# Altium PCB board_layout.pcbdoc (part 2 of 4)
Units mm, origin at the board's own origin, x right, y up, seen from the top; angles counter-clockwise.
Board outline 92.13 x 89.13 mm, 4 copper layers (Top Layer, Signal Layer 1, Signal Layer 2, Bottom Layer), stack 1.561 mm thick; 362 components, 209 nets, 1215 pads, 340 vias.
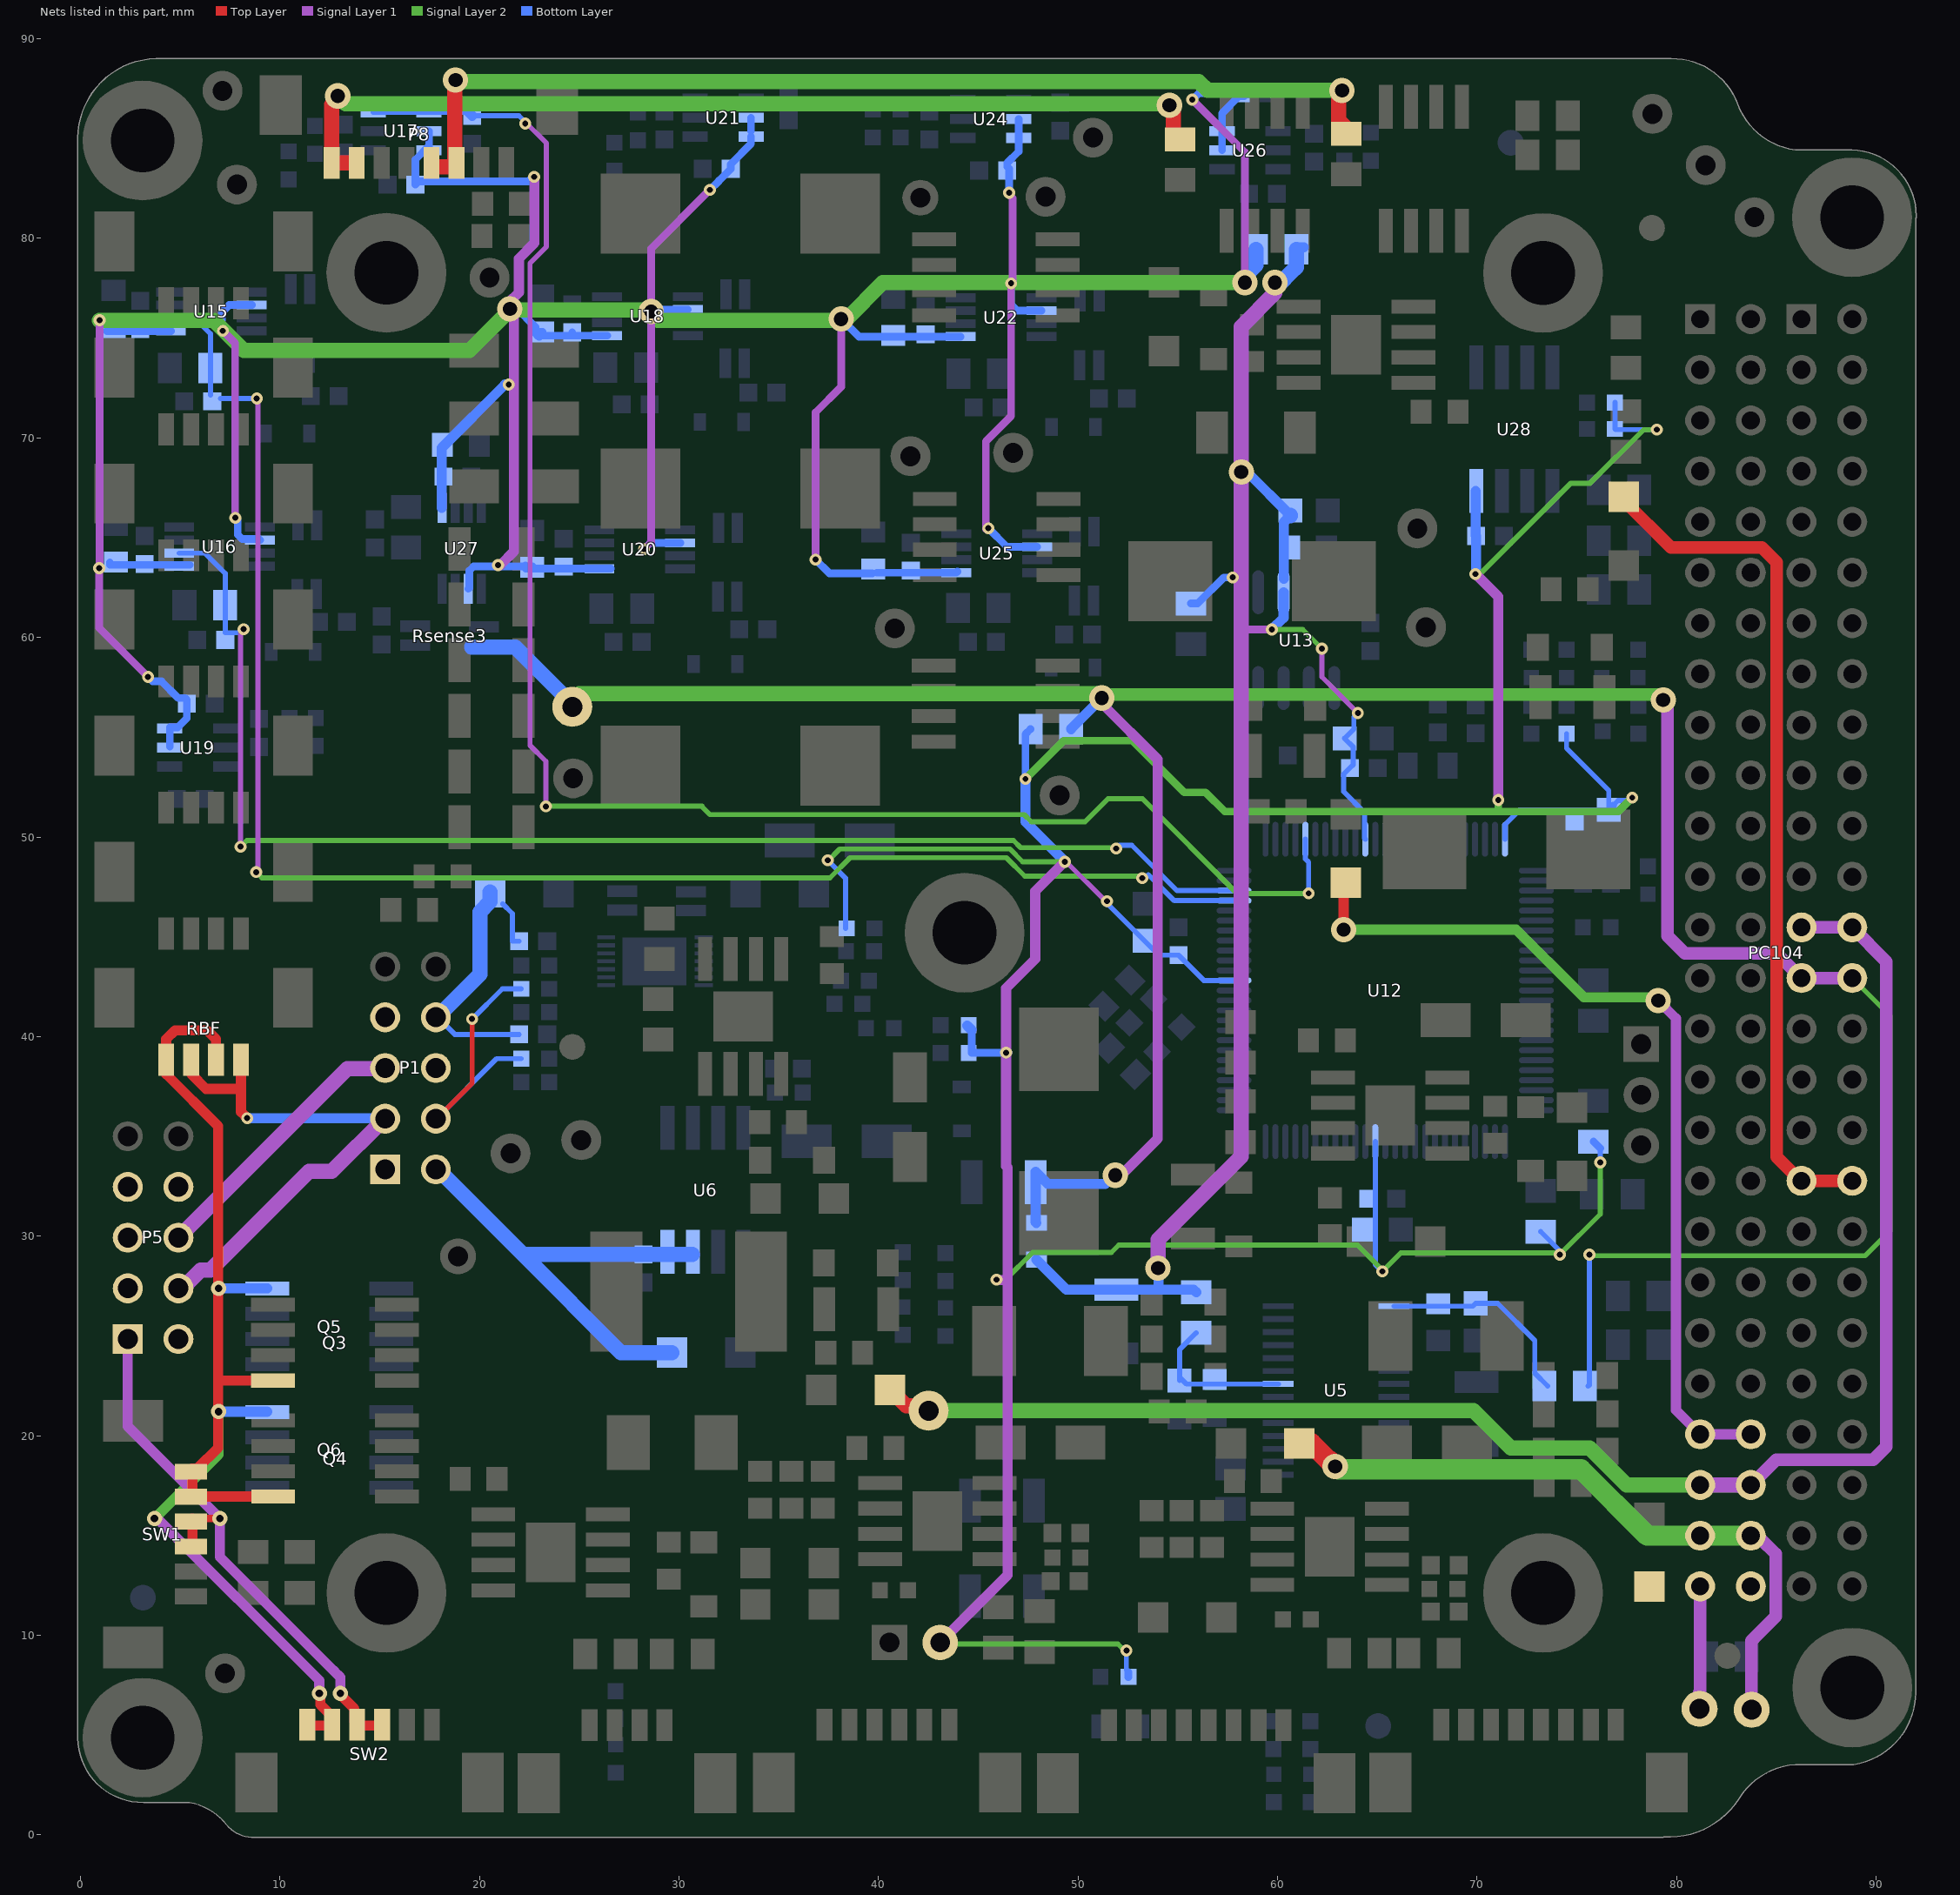
[diagram p4: the nets of this part, all layers, seen from the top]

## Part data (continued)
D1 D2: library part DIODE_SCHOTTKY_30V_5A_RB080L-30TE25, "DIODE SCHOTTKY 30V 5A DO-214AA", Average Rectified Current=5A, Manufacturer="ON Semiconductor / Fairchild", Max Forward Surge Current (Ifsm)=100A, Max Repetitive Reverse Voltage (Vrrm)=30V, Supplier Part Number 1=512-FSV530AF, ComponentLink1Description=https://www.fairchildsemi.com/datasheets/FS/FSV530AF.pdf?src-supplier=Digi-Key, ComponentLink1URL=https://www.fairchildsemi.com/datasheets/FS/FSV530AF.pdf?src-supplier=Digi-Key, ComponentLink2Description=http://www.farnell.com/datasheets/2552640.pdf?src-supplier=Farnell, ComponentLink2URL=http://www.farnell.com/datasheets/2552640.pdf?src-supplier=Farnell, ComponentLink3Description=http://www.farnell.com/datasheets/2552640.pdf?src-supplier=Element14, ComponentLink3URL=http://www.farnell.com/datasheets/2552640.pdf?src-supplier=Element14, Element Configuration=Single, Lead Free="Lead Free", Manufacturer Part Number=FSV530AF, Max Reverse Voltage (DC)=30V, Mount="Surface Mount", NCM=8541.10.29, Packaging="Cut Tape", Partnumber=FSV530AF, Pricing 1="1=0.47, 10=0.348, 100=0.202, 1000=0.137, 2500=0.121, 10000=0.117 (USD)", Pricing 2="1=0.47, 10=0.381, 25=0.3484, 100=0.2187, 250=0.21628, 500=0.2025, 1000=0.1377, 2500=0.13203, 5000=0.1215 (USD)", Reverse Recovery Time=15.72ns, Stock 1=19843, Stock 2=9965, Supplier 1=Mouser, Supplier 2=Digi-Key, Supplier Part Number 2=FSV530AFCT-ND, Weight=0.33g
D3: library part "DIODE_SCHOTTKY_30V_2A_  CMS06(TE12L,Q,M)", "DIODE SCHOTTKY 30V 2A   CMS06(TE12L,Q,M)", Average Rectified Current=2A, Forward Voltage=370mV, Manufacturer=Toshiba, Max Operating Temperature=125°C, Max Repetitive Reverse Voltage (Vrrm)=30V, Max Reverse Leakage Current=3mA, Max Surge Current=40A, Min Operating Temperature=-40°C, Package Quantity=1, Supplier Part Number 1=757-CMS06TE12L,Q,M, ComponentLink1Description=http://toshiba.semicon-storage.com/info/docget.jsp?did=3138&prodName=CMS06&src-supplier=Digi-Key, ComponentLink1URL=http://toshiba.semicon-storage.com/info/docget.jsp?did=3138&prodName=CMS06&src-supplier=Digi-Key, ComponentLink2Description=http://www.semicon.toshiba.com.tw/info/docget.jsp?pid=CMS06&lang=en&type=datasheet&src-supplier=Avnet, ComponentLink2URL=http://www.semicon.toshiba.com.tw/info/docget.jsp?pid=CMS06&lang=en&type=datasheet&src-supplier=Avnet, ComponentLink3Description=http://datasheet.iiic.cc/toshiba/CMS06_TE12L,Q,M_.pdf?src-supplier=IIIC, ComponentLink3URL=http://datasheet.iiic.cc/toshiba/CMS06_TE12L,Q,M_.pdf?src-supplier=IIIC, Contact Plating=Tin,Silver, Element Configuration=Single, Forward Current=2A, Manufacturer Part Number=CMS06(TE12L,Q,M), Max Reverse Voltage (DC)=30V, Mount="Surface Mount", NCM=8541.10.29, Number of Pins=2, Packaging="Tape and Reel", Partnumber=CMS06(TE12L,Q,M), Peak Non-Repetitive Surge Current=40A, Peak Reverse Current=3mA, Pricing 1="1=0.54, 10=0.464, 100=0.321, 500=0.25, 1000=0.203, 3000=0.186 (USD)", Pricing 2="1=0.53, 10=0.45, 25=0.42, 100=0.312, 250=0.2964, 500=0.2436, 1000=0.198 (USD)", Radiation Hardening=No, Stock 1=121, Stock 2=29658, Supplier 1=Mouser, Supplier 2=Digi-Key, Supplier Part Number 2=CMS06QMCT-ND
D4 D9 D11 D13 D15: library part DIODE_SCHOTTKY_40V_3A_B340LA-13-F, "DIODE SCHOTTKY 40V 3A B340LA-13-F", Average Rectified Current=3A, Capacitance=180pF, Case/Package=SMA, Forward Voltage=450mV, Manufacturer=Diodes, Max Forward Surge Current (Ifsm)=70A, Max Operating Temperature=125°C, Max Repetitive Reverse Voltage (Vrrm)=40V, Min Operating Temperature=-55°C, Package Quantity=5000, Peak Reverse Current=2mA, Supplier Part Number 1=621-B340LA-F, ComponentLink1Description=http://www.farnell.com/datasheets/2238478.pdf?src-supplier=Element14, ComponentLink1URL=http://www.farnell.com/datasheets/2238478.pdf?src-supplier=Element14, ComponentLink2Description=http://www.diodes.com/datasheets/ds30240.pdf?src-supplier=Future+Electronics, ComponentLink2URL=http://www.diodes.com/datasheets/ds30240.pdf?src-supplier=Future+Electronics, ComponentLink3Description=http://www.jameco.com/Jameco/Products/ProdDS/1538881.pdf?src-supplier=Jameco, ComponentLink3URL=http://www.jameco.com/Jameco/Products/ProdDS/1538881.pdf?src-supplier=Jameco, ComponentLink4Description=https://www.diodes.com/assets/Datasheets/ds30240.pdf?src-supplier=Digi-Key, ComponentLink4URL=https://www.diodes.com/assets/Datasheets/ds30240.pdf?src-supplier=Digi-Key, ComponentLink5Description=https://www.verical.com/server-webapp/html/getDatasheet?partID=256588&src-supplier=Verical, ComponentLink5URL=https://www.verical.com/server-webapp/html/getDatasheet?partID=256588&src-supplier=Verical, Current Rating=3A, Element Configuration=Single, Forward Current=3A, Height=2.1mm, Lead Free="Lead Free", Length=4.6mm, Manufacturer Part Number=B340LA-13-F, Max Reverse Voltage (DC)=40V, Mount="Surface Mount", NCM=8541.10.29, Number of Pins=2, Output Current=3A, Packaging="Tape and Reel", Partnumber=B340LA-13-F, Peak Non-Repetitive Surge Current=70A, Polarity=Standard, Pricing 1="1=0.51, 10=0.417, 100=0.255, 1000=0.197, 5000=0.168, 10000=0.168 (USD)", Pricing 2="1=0.4, 10=0.341, 25=0.318, 100=0.2363, 250=0.22452, 500=0.18452, 1000=0.14999, 2500=0.1409 (USD)", Radiation Hardening=No, REACH SVHC="No SVHC", Stock 1=21204, Stock 2=96615, Supplier 1=Mouser, Supplier 2=Digi-Key, Supplier Part Number 2=B340LA-FDICT-ND, Termination=SMD/SMT, Voltage Rating (DC)=40V, Weight=0.002258oz, Width=2.92mm
D5 D6: library part DIODE_ZENER_5.6V_3SMAJ5919B, "DIODE ZENER 5.6V 3W DO214AC", Case/Package=SMA, Manufacturer=MCC, Max Operating Temperature=150°C, Max Power Dissipation=3W, Max Reverse Leakage Current=5uA, Min Operating Temperature=-55°C, Package Quantity=7500, Supplier Part Number 1=833-3SMAJ5919B-TP, Tolerance=5%, Zener Current=534mA, Zener Voltage=5.6V, ComponentLink1Description=http://www.mccsemi.com/up_pdf/3SMAJ5913B~3SMAJ5943B(DO-214AC).pdf?src-supplier=Digi-Key, ComponentLink1URL=http://www.mccsemi.com/up_pdf/3SMAJ5913B~3SMAJ5943B(DO-214AC).pdf?src-supplier=Digi-Key, Element Configuration=Single, Impedance=2R, Manufacturer Part Number=3SMAJ5919B-TP, Mount="Surface Mount", NCM=8541.10.29, Number of Pins=2, Packaging="Tape and Reel", Partnumber=3SMAJ5919B-TP, Power Dissipation=3W, Pricing 1="1=0.48, 10=0.354, 100=0.225, 500=0.199, 1000=0.143, 2500=0.134 (USD)", Pricing 2="1=0.46, 10=0.376, 25=0.344, 100=0.216, 250=0.2136, 500=0.2, 1000=0.136, 2500=0.1304 (USD)", Stock 1=26433, Stock 2=61482, Supplier 1=Mouser, Supplier 2=Digi-Key, Supplier Part Number 2=3SMAJ5919B-TPMSCT-ND, Voltage Tolerance=5%
D7 D12 D14 D16 D17 D18: library part DIODE_SCHOTTKY_20V_2A_SMD22WS-TP, "Diode Schottky 20 V 2A Surface Mount SOD-323", Partnumber=SMD22WS-TP
D8: library part DIODE_SCHOTTKY_23V_1A_NSVR0320MW2T1G, "DIODE SCHOTTKY 23V 1A SOD323F", Average Rectified Current=1A, Case/Package=SOD-323-2, Forward Voltage=500mV, Manufacturer="ON Semiconductor", Manufacturer Part Number=NSVR0320MW2T1G, Max Forward Surge Current (Ifsm)=5A, Max Operating Temperature=125°C, Max Repetitive Reverse Voltage (Vrrm)=20V, Max Reverse Leakage Current=1mA, Min Operating Temperature=-55°C, Package Quantity=3000, Peak Reverse Current=50uA, Supplier Part Number 1=863-NSVR0320MW2T1G, ComponentLink1Description=http://www.onsemi.com/pub/Collateral/NSR0320MW2T1-D.PDF?src-supplier=Avnet, ComponentLink1URL=http://www.onsemi.com/pub/Collateral/NSR0320MW2T1-D.PDF?src-supplier=Avnet, ComponentLink2Description=http://www.onsemi.com/pub/Collateral/NSR0320MW2T1-D.PDF?src-supplier=Digi-Key, ComponentLink2URL=http://www.onsemi.com/pub/Collateral/NSR0320MW2T1-D.PDF?src-supplier=Digi-Key, Element Configuration=Single, Forward Current=1A, Height=0.9mm, Lead Free="Lead Free", Length=1.8mm, Max Reverse Voltage (DC)=20V, Max Surge Current=5A, NCM=8541.10.29, Number of Pins=2, Packaging="Tape and Reel", Partnumber=NSVR0320MW2T1G, Pricing 1="1=0.38, 10=0.254, 100=0.118, 1000=0.092, 3000=0.081, 9000=0.071 (USD)", Pricing 2="1=0.38, 10=0.282, 25=0.2548, 100=0.1343, 250=0.13288, 500=0.119, 1000=0.0926 (USD)", Radiation Hardening=No, REACH SVHC="No SVHC", Stock 1=10408, Stock 2=4746, Supplier 1=Mouser, Supplier 2=Digi-Key, Supplier Part Number 2=NSVR0320MW2T1GOSCT-ND, Width=1.35mm
D10: library part DIODE_SCHOTTKY_20V_2A_MB220-13-F, "DIODE SCHOTTKY 20V 2A B220-13-F", Average Rectified Current=2A, Capacitance=200pF, Case/Package=SMB, Forward Voltage=500mV, Manufacturer=Diodes, Max Forward Surge Current (Ifsm)=50A, Max Operating Temperature=150°C, Max Repetitive Reverse Voltage (Vrrm)=20V, Min Operating Temperature=-65°C, Package Quantity=3000, Peak Reverse Current=500uA, Supplier Part Number 1=621-B220-F, ComponentLink1Description=http://www.diodes.com/datasheets/ds13004.pdf?src-supplier=Future+Electronics, ComponentLink1URL=http://www.diodes.com/datasheets/ds13004.pdf?src-supplier=Future+Electronics, ComponentLink2Description=http://www.diodes.com/datasheets/ds13004.pdf?src-supplier=Avnet, ComponentLink2URL=http://www.diodes.com/datasheets/ds13004.pdf?src-supplier=Avnet, Contact Plating=Tin,Matte, Current Rating=2A, Element Configuration=Single, Forward Current=2A, Height=2.62mm, Lead Free="Lead Free", Length=4.57mm, Manufacturer Part Number=B220-13-F, Max Reverse Voltage (DC)=20V, Mount="Surface Mount", NCM=8541.10.29, Number of Pins=2, Output Current=2A, Packaging="Tape and Reel", Partnumber=B220-13-F, Peak Non-Repetitive Surge Current=50A, Polarity=Standard, Pricing 1="1=0.45, 10=0.289, 100=0.124, 1000=0.095, 3000=0.072, 9000=0.064 (USD)", Pricing 2="1=0.46, 10=0.339, 25=0.2968, 100=0.1612, 250=0.16036, 500=0.1315, 1000=0.09757 (USD)", Radiation Hardening=No, REACH SVHC="No SVHC", Stock 1=3454, Stock 2=5768, Supplier 1=Mouser, Supplier 2=Digi-Key, Supplier Part Number 2=B220-FDICT-ND, Termination=SMD/SMT, Voltage Rating (DC)=20V, Weight=0.00328oz, Width=3.94mm
FB1: library part FB_30R_3A_100MHz_0805, "Ferrite Bead 30 OHM 3A 100MHz", Case Code (Imperial)=0805, Case Code (Metric)=2012, Current Rating=4A, DC Current=3A, DC Resistance (DCR)=14mR, Frequency=100MHz, Manufacturer=Murata, Manufacturer Part Number=BLM21PG300SN1D, Max Operating Temperature=125°C, Min Operating Temperature=-55°C, Package Quantity=1, Resistance=15mR, Supplier Part Number 1=81-BLM21P300S, Tolerance=25%, Case/Package=0805, ComponentLink1Description=http://uk.rs-online.com/webdocs/002e/0900766b8002e1f1.pdf?src-supplier=RSComponents, ComponentLink1URL=http://uk.rs-online.com/webdocs/002e/0900766b8002e1f1.pdf?src-supplier=RSComponents, ComponentLink2Description=https://www.murata.com/en-us/products/productdata/8796738977822/ENFA0005.pdf?src-supplier=Digi-Key, ComponentLink2URL=https://www.murata.com/en-us/products/productdata/8796738977822/ENFA0005.pdf?src-supplier=Digi-Key, ComponentLink3Description=http://search.murata.co.jp/Ceramy/image/img/PDF/ENG/L0110S0100BLM21P.pdf?src-supplier=Avnet+Europe, ComponentLink3URL=http://search.murata.co.jp/Ceramy/image/img/PDF/ENG/L0110S0100BLM21P.pdf?src-supplier=Avnet+Europe, ComponentLink4Description=http://search.murata.co.jp/Ceramy/image/img/PDF/ENG/L0110S0100BLM21P.pdf?src-supplier=Avnet, ComponentLink4URL=http://search.murata.co.jp/Ceramy/image/img/PDF/ENG/L0110S0100BLM21P.pdf?src-supplier=Avnet, ComponentLink5Description=http://www.murata.com/en-global/api/pdfdownloadapi?cate=luNoiseSupprFilteChipFerriBead&partno=BLM21PG300SN1%23&src-supplier=Future+Electronics, ComponentLink5URL=http://www.murata.com/en-global/api/pdfdownloadapi?cate=luNoiseSupprFilteChipFerriBead&partno=BLM21PG300SN1%23&src-supplier=Future+Electronics, ComponentLink6Description=http://www.jameco.com/Jameco/Products/ProdDS/1845339.pdf?src-supplier=Jameco, ComponentLink6URL=http://www.jameco.com/Jameco/Products/ProdDS/1845339.pdf?src-supplier=Jameco, ComponentLink7Description=http://www.farnell.com/datasheets/1756152.pdf?src-supplier=Element14, ComponentLink7URL=http://www.farnell.com/datasheets/1756152.pdf?src-supplier=Element14, ComponentLink8Description=http://www.produktinfo.conrad.com/datenblaetter/1100000-1199999/001172365-da-01-en-DROSSEL_0805_30R0_2_0X1_25MM_4000ST.pdf?src-supplier=Conrad, ComponentLink8URL=http://www.produktinfo.conrad.com/datenblaetter/1100000-1199999/001172365-da-01-en-DROSSEL_0805_30R0_2_0X1_25MM_4000ST.pdf?src-supplier=Conrad, Core Material=Ferrite, Depth=1.25mm, Height=0.85mm, Impedance=30R, Lead Free="Lead Free", Length=2mm, Material=Steel,Ferrite, Max Current Rating=4A, Max DC Current=3A, Military Standard=Not, NCM=8504.50.00, Number of Circuits=1, Number of Lines=1, Number of Pins=2, Packaging="Tape and Reel", Partnumber=BLM21PG300SN1D, Pricing 1="1=0.11, 10=0.06, 100=0.041, 500=0.037, 1000=0.03, 4000=0.028 (USD)", Pricing 2="1=0.11, 10=0.093, 25=0.0724, 50=0.06, 100=0.0517, 250=0.04136, 500=0.03722, 1000=0.03102 (USD)", Radiation Hardening=No, REACH SVHC="No SVHC", Shielding=Unshielded, Stock 1=86637, Stock 2=46682, Supplier 1=Mouser, Supplier 2=Digi-Key, Supplier Part Number 2=490-1052-1-ND, Termination=SMD/SMT, Test Frequency=100MHz, Width=1.25mm
FB3 FB4: library part FB_30R_10A_100MHz_1210, "Ferrite Bead 30 OHM 10A 100MHz", Case Code (Imperial)=1210, Case Code (Metric)=3225, DC Resistance (DCR)=1.6mR, Manufacturer=Murata, Manufacturer Part Number=BLE32PN300SN1L, Max Current Rating=10A, Max Operating Temperature=125°C, Min Operating Temperature=-55°C, Package Quantity=1500, Resistance=10R, Supplier Part Number 1=81-BLE32PN300SN1L, Case/Package=1210, ComponentLink1Description=http://search.murata.co.jp/Ceramy/image/img/PDF/ENG/L0110S0100BLE32P.pdf?src-supplier=Avnet, ComponentLink1URL=http://search.murata.co.jp/Ceramy/image/img/PDF/ENG/L0110S0100BLE32P.pdf?src-supplier=Avnet, Core Material=Ferrite, Depth=2.5mm, Height=0.087inch, Impedance=30R, Length=0.126inch, Max DC Current=10A, Mount="Surface Mount", NCM=8504.50.00, Number of Lines=1, Packaging="Tape and Reel", Partnumber=BLE32PN300SN1L, Pricing 1="1=0.8, 10=0.663, 25=0.532, 50=0.504, 100=0.448, 250=0.42 (USD)", Pricing 2="1=0.84, 10=0.756, 25=0.5604, 50=0.5324, 100=0.4763, 250=0.44828, 500=0.42026 (USD)", Radiation Hardening=No, Stock 1=0, Stock 2=11710, Supplier 1=Mouser, Supplier 2=Digi-Key, Supplier Part Number 2=490-9566-1-ND, Termination=SMD/SMT, Weight=0.000564oz, Width=0.098inch
FD1 FD2 FD3 FD4 FD5 FD6: "Fiducial 1.3mm"
J_V1 J_V3 J_V4 J_V5 J_V6 R28 R32 R87 R88 R89 R90 R91: library part R0R_JUMPER_1/8W_0805, "RES 0R OHM 1/8W JUMPER 0805", Case Code (Imperial)=0805, Case Code (Metric)=2012, Manufacturer=Vishay, Manufacturer Part Number=CRCW08050000Z0EA, Max Operating Temperature=155°C, Max Power Dissipation=125mW, Min Operating Temperature=-55°C, Package Quantity=1, Resistance=0mR, Supplier Part Number 1=71-CRCW0805-0-E3, Temperature Coefficient=100ppm/°C, Tolerance=1%, Voltage Rating=150V, Case/Package=0805, ComponentLink1Description=http://www.vishay.com/docs/20035/dcrcwe3.pdf?src-supplier=Avnet+Europe, ComponentLink1URL=http://www.vishay.com/docs/20035/dcrcwe3.pdf?src-supplier=Avnet+Europe, ComponentLink2Description=http://www.vishay.com/docs/20035/dcrcwe3.pdf?src-supplier=Distrelec, ComponentLink2URL=http://www.vishay.com/docs/20035/dcrcwe3.pdf?src-supplier=Distrelec, ComponentLink3Description=http://www.vishay.com/docs/20035/dcrcwe3.pdf?src-supplier=Mouser, ComponentLink3URL=http://www.vishay.com/docs/20035/dcrcwe3.pdf?src-supplier=Mouser, ComponentLink4Description=http://uk.rs-online.com/webdocs/0d98/0900766b80d98b26.pdf?src-supplier=RSComponents, ComponentLink4URL=http://uk.rs-online.com/webdocs/0d98/0900766b80d98b26.pdf?src-supplier=RSComponents, ComponentLink5Description=http://www.vishay.com/docs/20035/dcrcwe3.pdf?src-supplier=Future+Electronics, ComponentLink5URL=http://www.vishay.com/docs/20035/dcrcwe3.pdf?src-supplier=Future+Electronics, ComponentLink6Description=http://www.vishay.com/docs/20035/dcrcwe3.pdf?src-supplier=Allied+Electronics, ComponentLink6URL=http://www.vishay.com/docs/20035/dcrcwe3.pdf?src-supplier=Allied+Electronics, ComponentLink7Description=http://www.vishay.com/docs/20035/dcrcwe3.pdf?src-supplier=Digi-Key, ComponentLink7URL=http://www.vishay.com/docs/20035/dcrcwe3.pdf?src-supplier=Digi-Key, ComponentLink8Description=http://www.farnell.com/datasheets/2310790.pdf?src-supplier=Element14, ComponentLink8URL=http://www.farnell.com/datasheets/2310790.pdf?src-supplier=Element14, Composition="Thick Film", Contact Plating=Tin,Lead, Depth=1.25mm, Features="Automotive AEC-Q200", Fitted="No (jumper resistor)", Height=0.45mm, Lead Free="Lead Free", Length=2mm, Military Standard=Not, Number of Terminations=2, Packaging="Tape and Reel", Partnumber=CRCW08050000Z0EA, Power Rating=125mW, Pricing 1="1=0.1, 10=0.024, 100=0.01, 1000=0.007, 5000=0.004, 10000=0.004 (USD)", Pricing 2="1=0.1, 10=0.04, 25=0.0288, 50=0.022, 100=0.0162, 250=0.01236, 500=0.0099, 1000=0.00729 (USD)", Radiation Hardening=No, REACH SVHC=Unknown, Stock 1=903478, Stock 2=399530, Supplier 1=Mouser, Supplier 2=Digi-Key, Supplier Part Number 2=541-0.0ADKR-ND, Termination=SMD/SMT, Voltage Rating (DC)=150V, Weight=0.000194oz, Width=1.25mm
L1 L2: library part IND_POWER_2.2uH_9A_15mR, "INDUCTOR 2.2UH 9A SMD", Case/Package=2826, Current Rating=9A, DC Resistance (DCR)=15.5mR, Inductance=2.2uH, Inductance Tolerance=20%, Manufacturer=Bourns, Manufacturer Part Number=SRP6540-2R2M, Max Operating Temperature=125°C, Min Operating Temperature=-55°C, Package Quantity=1200, Self Resonant Frequency=100kHz, Supplier Part Number 1=652-SRP6540-2R2M, ComponentLink1Description=http://www.bourns.com/docs/Product-Datasheets/SRP6540.pdf?src-supplier=Digi-Key, ComponentLink1URL=http://www.bourns.com/docs/Product-Datasheets/SRP6540.pdf?src-supplier=Digi-Key, ComponentLink2Description=https://www.bourns.com/docs/Product-Datasheets/SRP6540.pdf?src-supplier=Digi-Key, ComponentLink2URL=https://www.bourns.com/docs/Product-Datasheets/SRP6540.pdf?src-supplier=Digi-Key, ComponentLink3Description=http://www.farnell.com/datasheets/1698468.pdf?src-supplier=Element14, ComponentLink3URL=http://www.farnell.com/datasheets/1698468.pdf?src-supplier=Element14, Composition=Wirewound, Core Material=Ferrite, Depth=6.7mm, Height=4mm, Height - Seated (Max)=0.157inch, Length=7.2mm, Material=Ferrite, Max DC Current=9A, Military Standard=Not, Mount="Surface Mount", NCM=8504.50.00, Packaging="Tape and Reel", Partnumber=SRP6540-2R2M, Pricing 1="1=1.2, 10=1.14, 50=0.953, 100=0.878, 250=0.801, 500=0.672 (USD)", Pricing 2="1=1.42, 10=1.323, 25=1.2212, 50=1.0176, 100=0.9565, 250=0.85472, 500=0.7326 (USD)", REACH SVHC="No SVHC", RMS Current (Irms)=9A, Saturation Current=9A, Shielding=Shielded, Stock 1=1265, Stock 2=3610, Supplier 1=Mouser, Supplier 2=Digi-Key, Supplier Part Number 2=SRP6540-2R2MCT-ND, Termination=SMD/SMT, Test Frequency=100kHz, Tolerance=20%, Width=6.5mm
L3: library part IND_POWER_27uH_4.3A_42.5mR, "INDUCTOR 27UH 4.3A SMD", Case/Package=Nonstandard, Current Rating=4.3A, DC Resistance (DCR)=42.5mR, Inductance=27uH, Inductance Tolerance=20%, Manufacturer="Wurth Electronics", Manufacturer Part Number=7447798271, Max DC Current=3.9A, Max Operating Temperature=150°C, Min Operating Temperature=-40°C, Package Quantity=500, Saturation Current=3.1A, Self Resonant Frequency=15MHz, Supplier Part Number 1=710-7447798271, Test Frequency=100kHz, ComponentLink1Description=http://documents.rs-components.com/techlib://itc_doclist_GB.htm?stockno=7444974&src-supplier=RSComponents, ComponentLink1URL=http://documents.rs-components.com/techlib://itc_doclist_GB.htm?stockno=7444974&src-supplier=RSComponents, ComponentLink2Description=http://katalog.we-online.de/pbs/datasheet/7447798271.pdf?src-supplier=Digi-Key, ComponentLink2URL=http://katalog.we-online.de/pbs/datasheet/7447798271.pdf?src-supplier=Digi-Key, ComponentLink3Description=https://katalog.we-online.de/pbs/datasheet/7447798271.pdf?src-supplier=Digi-Key, ComponentLink3URL=https://katalog.we-online.de/pbs/datasheet/7447798271.pdf?src-supplier=Digi-Key, ComponentLink4Description=http://katalog.we-online.de/pbs/datasheet/7447798271.pdf?src-supplier=Farnell, ComponentLink4URL=http://katalog.we-online.de/pbs/datasheet/7447798271.pdf?src-supplier=Farnell, ComponentLink5Description=http://www.mouser.com/ds/2/445/7447798271-539302.pdf?src-supplier=Mouser, ComponentLink5URL=http://www.mouser.com/ds/2/445/7447798271-539302.pdf?src-supplier=Mouser, Composition=Wirewound, Core Material=Metal,Composite,Ferrite, Depth=10.2mm, Height=6.4mm, Height - Seated (Max)=0.252inch, Length=10.2mm, Mount="Surface Mount", NCM=8504.50.00, Packaging="Tape and Reel", Partnumber=7447798271, Pricing 1="1=3.34, 10=3.08, 25=3.08, 50=2.97, 100=2.87, 250=2.55 (USD)", Pricing 2="1=3.34, 10=3.086, 50=2.979, 100=2.873, 250=2.554 (USD)", REACH SVHC=Unknown, RMS Current (Irms)=4.3A, Shielding=Shielded, Stock 1=889, Stock 2=1101, Supplier 1=Mouser, Supplier 2=Digi-Key, Supplier Part Number 2=732-2421-1-ND, Termination=SMD/SMT, Tolerance=20%, Width=0.402inch
L4 L5: library part IND_POWER_16uH_5A_35.5mR, "INDUCTOR 16UH 5A SMD", Case/Package=Nonstandard, Current Rating=5A, DC Resistance (DCR)=34.5mR, Inductance=16uH, Inductance Tolerance=20%, Manufacturer="Wurth Electronics", Manufacturer Part Number=7443251600, Max Operating Temperature=150°C, Min Operating Temperature=-40°C, Package Quantity=700, Saturation Current=6.5A, Self Resonant Frequency=18MHz, Series Resistance=34.5R, Supplier Part Number 1=710-7443251600, Test Frequency=100kHz, ComponentLink1Description=http://www.mouser.com/ds/2/445/7443251600-73993.pdf?src-supplier=Mouser, ComponentLink1URL=http://www.mouser.com/ds/2/445/7443251600-73993.pdf?src-supplier=Mouser, ComponentLink2Description=http://www.farnell.com/datasheets/1735799.pdf?src-supplier=Element14, ComponentLink2URL=http://www.farnell.com/datasheets/1735799.pdf?src-supplier=Element14, ComponentLink3Description=https://www.distrelec.biz/Web/Downloads/_t/ds/7443251600_eng_tds.pdf?mime=application%2Fpdf&src-supplier=Distrelec, ComponentLink3URL=https://www.distrelec.biz/Web/Downloads/_t/ds/7443251600_eng_tds.pdf?mime=application%2Fpdf&src-supplier=Distrelec, ComponentLink4Description=http://katalog.we-online.de/pbs/datasheet/7443251600.pdf?src-supplier=Digi-Key, ComponentLink4URL=http://katalog.we-online.de/pbs/datasheet/7443251600.pdf?src-supplier=Digi-Key, ComponentLink5Description=http://www.produktinfo.conrad.com/datenblaetter/1000000-1099999/001087469-da-01-ml-WE_HCI_SMD_HOCHSTROMIND_7443251600_de_en.pdf?src-supplier=Conrad, ComponentLink5URL=http://www.produktinfo.conrad.com/datenblaetter/1000000-1099999/001087469-da-01-ml-WE_HCI_SMD_HOCHSTROMIND_7443251600_de_en.pdf?src-supplier=Conrad, Composition=Wirewound, Height=4.7mm, Height - Seated (Max)=0.197inch, Length=0.413inch, Max DC Current=5A, Mount="Surface Mount", NCM=8504.50.00, Packaging="Tape and Reel", Partnumber=7443251600, Pricing 1="1=4.01, 10=3.94, 25=3.94, 50=3.63, 100=3.48, 250=3.26 (USD)", Pricing 2="1=4.01, 10=3.931, 50=3.629, 100=3.478, 250=3.251 (USD)", REACH SVHC=Unknown, RMS Current (Irms)=5A, Shielding=Shielded, Stock 1=2659, Stock 2=2913, Supplier 1=Mouser, Supplier 2=Digi-Key, Supplier Part Number 2=732-4180-1-ND, Termination=SMD/SMT, Tolerance=20%, Width=10.2mm
L6: library part IND_POWER_10uH_6.4A_51.8mR, "INDUCTOR 2.2UH 6.4A SMD", Case/Package=3232, Current Rating=5.4A, DC Resistance (DCR)=51.8mR, Inductance=10uH, Inductance Tolerance=20%, Manufacturer="Vishay Dale", Manufacturer Part Number=IHLP3232DZER100M11, Max Operating Temperature=125°C, Min Operating Temperature=-55°C, Package Quantity=500, Saturation Current=6.4A, Self Resonant Frequency=12MHz, Supplier Part Number 1=70-IHLP3232DZER100M1, Test Frequency=100kHz, ComponentLink1Description=http://www.vishay.com/docs/34313/ihlp3232dz11.pdf?src-supplier=Avnet, ComponentLink1URL=http://www.vishay.com/docs/34313/ihlp3232dz11.pdf?src-supplier=Avnet, ComponentLink2Description=http://www.vishay.com/docs/34313/ihlp3232dz11.pdf?src-supplier=Digi-Key, ComponentLink2URL=http://www.vishay.com/docs/34313/ihlp3232dz11.pdf?src-supplier=Digi-Key, ComponentLink3Description=https://www.alliedelec.com/m/d/5924ead94cc8907f6647c63e8202e128.pdf?src-supplier=Allied+Electronics, ComponentLink3URL=https://www.alliedelec.com/m/d/5924ead94cc8907f6647c63e8202e128.pdf?src-supplier=Allied+Electronics, ComponentLink4Description=http://www.farnell.com/datasheets/2045896.pdf?src-supplier=Element14, ComponentLink4URL=http://www.farnell.com/datasheets/2045896.pdf?src-supplier=Element14, ComponentLink5Description=http://www.vishay.com/docs/34313/ihlp3232dz11.pdf?src-supplier=Element14, ComponentLink5URL=http://www.vishay.com/docs/34313/ihlp3232dz11.pdf?src-supplier=Element14, Contact Plating=Tin, Core Material=Ferrite, Depth=8.26mm, Height=4mm, Height - Seated (Max)=0.157inch, Lead Free="Lead Free", Length=8.89mm, Max DC Current=5.4A, Military Standard=Not, Mount="Surface Mount", NCM=8504.50.00, Number of Pins=2, Packaging="Tape and Reel", Partnumber=IHLP3232DZER100M11, Pricing 1="1=1.65, 10=1.53, 100=0.738, 1000=0.738, 2500=0.738, 10000=0.738 (USD)", Pricing 2="1=1.58, 10=1.466, 25=1.3532, 50=1.1276, 100=1.0599, 250=0.94712 (USD)", Radiation Hardening=No, REACH SVHC=Unknown, RMS Current (Irms)=5.4A, Shielding=Shielded, Stock 1=376, Stock 2=12872, Supplier 1=Mouser, Supplier 2=Digi-Key, Supplier Part Number 2=541-1346-1-ND, Termination=SMD/SMT, Tolerance=20%, Width=8.18mm
L7 L8 L9: library part IND_POWER_22uH_6.3A_25.7mR, "HC9 Series - 22uH / 6.3A / 25.7mOHM", Case/Package=SMD/SMT, Current Rating=6.3A, DC Resistance (DCR)=25.7mR, Inductance=22uH, Inductance Tolerance=15%, Manufacturer="Eaton Cooper", Manufacturer Part Number=HC9-220-R, Max Operating Temperature=155°C, Min Operating Temperature=-40°C, Package Quantity=450, Saturation Current=8.7A, Supplier Part Number 1=704-HC9-220-R, Test Frequency=100kHz, ComponentLink1Description=http://www.mouser.com/ds/2/87/Bus_Elx_DS_4312_HC9_Series-475744.pdf?src-supplier=Mouser, ComponentLink1URL=http://www.mouser.com/ds/2/87/Bus_Elx_DS_4312_HC9_Series-475744.pdf?src-supplier=Mouser, ComponentLink2Description=http://www.farnell.com/datasheets/175565.pdf?src-supplier=Element14, ComponentLink2URL=http://www.farnell.com/datasheets/175565.pdf?src-supplier=Element14, ComponentLink3Description=http://www.cooperindustries.com/content/dam/public/bussmann/Electronics/Resources/product-datasheets/Bus_Elx_DS_4312_HC9_Series.pdf?src-supplier=Future+Electronics, ComponentLink3URL=http://www.cooperindustries.com/content/dam/public/bussmann/Electronics/Resources/product-datasheets/Bus_Elx_DS_4312_HC9_Series.pdf?src-supplier=Future+Electronics, ComponentLink4Description=http://www.cooperindustries.com/content/dam/public/bussmann/Electronics/Resources/product-datasheets/Bus_Elx_DS_4312_HC9_Series.pdf?src-supplier=Onlinecomponents.com, ComponentLink4URL=http://www.cooperindustries.com/content/dam/public/bussmann/Electronics/Resources/product-datasheets/Bus_Elx_DS_4312_HC9_Series.pdf?src-supplier=Onlinecomponents.com, Core Material=Ferrite, Depth=13.1mm, Height=7.5mm, Lead Free="Lead Free", Length=13.8mm, Max DC Current=6.3A, Military Standard=Not, Mount="Surface Mount", NCM=8504.50.00, Number of Pins=2, Packaging="Tape and Reel", Partnumber=HC9-220-R, Pricing 1="1=3.48, 10=3, 100=2.41, 450=1.71, 900=1.47, 2250=1.43 (USD)", Pricing 2="1=2.74, 10=2.529, 25=2.3184, 50=1.9812, 100=1.7704 (USD)", Radiation Hardening=No, REACH SVHC="No SVHC", RMS Current (Irms)=6.3A, Shielding=Unshielded, Stock 1=1694, Stock 2=9707, Supplier 1=Mouser, Supplier 2=Digi-Key, Supplier Part Number 2=513-1349-1-ND, Termination=SMD/SMT, Tolerance=15%, Weight=0.256oz, Width=13.1mm
MEC1 MEC2 MEC3 MEC4 MEC5 MEC6 MEC7 MEC8 MEC9: library part "M3 hole", "M3 hole"
P1 P5: library part "Header 5X2H_IPS1-105-01-S-D-VS", "10 Position Receptacle Connector 0.100\" (2.54mm)", Color=Black, Manufacturer=Samtec, Manufacturer Part Number=IPS1-105-01-S-D, Max Operating Temperature=125°C, Max Voltage Rating (AC)=550V, Max Voltage Rating (DC)=777V, Min Operating Temperature=-55°C, Supplier Part Number 1=200-IPS110501SD, ComponentLink1Description=http://www.samtec.com/documents/webfiles/pdf/ipt1.pdf?src-supplier=Avnet+Europe, ComponentLink1URL=http://www.samtec.com/documents/webfiles/pdf/ipt1.pdf?src-supplier=Avnet+Europe, ComponentLink2Description=http://suddendocs.samtec.com/prints/ips1-1xx-xx-xx-d-xx-mkt.pdf?src-supplier=Digi-Key, ComponentLink2URL=http://suddendocs.samtec.com/prints/ips1-1xx-xx-xx-d-xx-mkt.pdf?src-supplier=Digi-Key, ComponentLink3Description=http://www.samtec.com/documents/webfiles/pdf/ipt1.pdf?src-supplier=Avnet, ComponentLink3URL=http://www.samtec.com/documents/webfiles/pdf/ipt1.pdf?src-supplier=Avnet, Connector Type=Receptacle,Socket, Contact Material=Bronze, Contact Plating=Gold, Depth=4.95mm, Gender=Receptacle, Housing Color=Black, Housing Material=Polymer, LatestRevisionDate=17-Jul-2002, LatestRevisionNote="Re-released for DXP Platform.", Lead Free="Lead Free", Length=13.08mm, Mount="Through Hole", Number of Contacts=10, Number of Ports=1, Number of Positions=10, Number of Rows=2, Number of Terminals=10, Orientation=Straight, Packaging=Rail/Tube, Partnumber=IPS1-105-01-S-D, Pitch=2.54mm, Pricing 1="1=3.15, 10=2.64, 100=2.3, 250=1.98, 500=1.83, 1000=1.68 (USD)", Pricing 2="1=3.15, 10=3.024, 100=2.52, 500=2.142, 1000=1.827, 5000=1.638 (USD)", Publisher="Altium Limited", Radiation Hardening=No, REACH SVHC="No SVHC", Row Spacing=0.1inch, Stock 1=1713, Stock 2=1507, Supplier 1=Mouser, Supplier 2=Digi-Key, Supplier Part Number 2=SAM8085-ND, Termination=Solder